# KiCad board boatcontrol.kicad_pcb (continued)
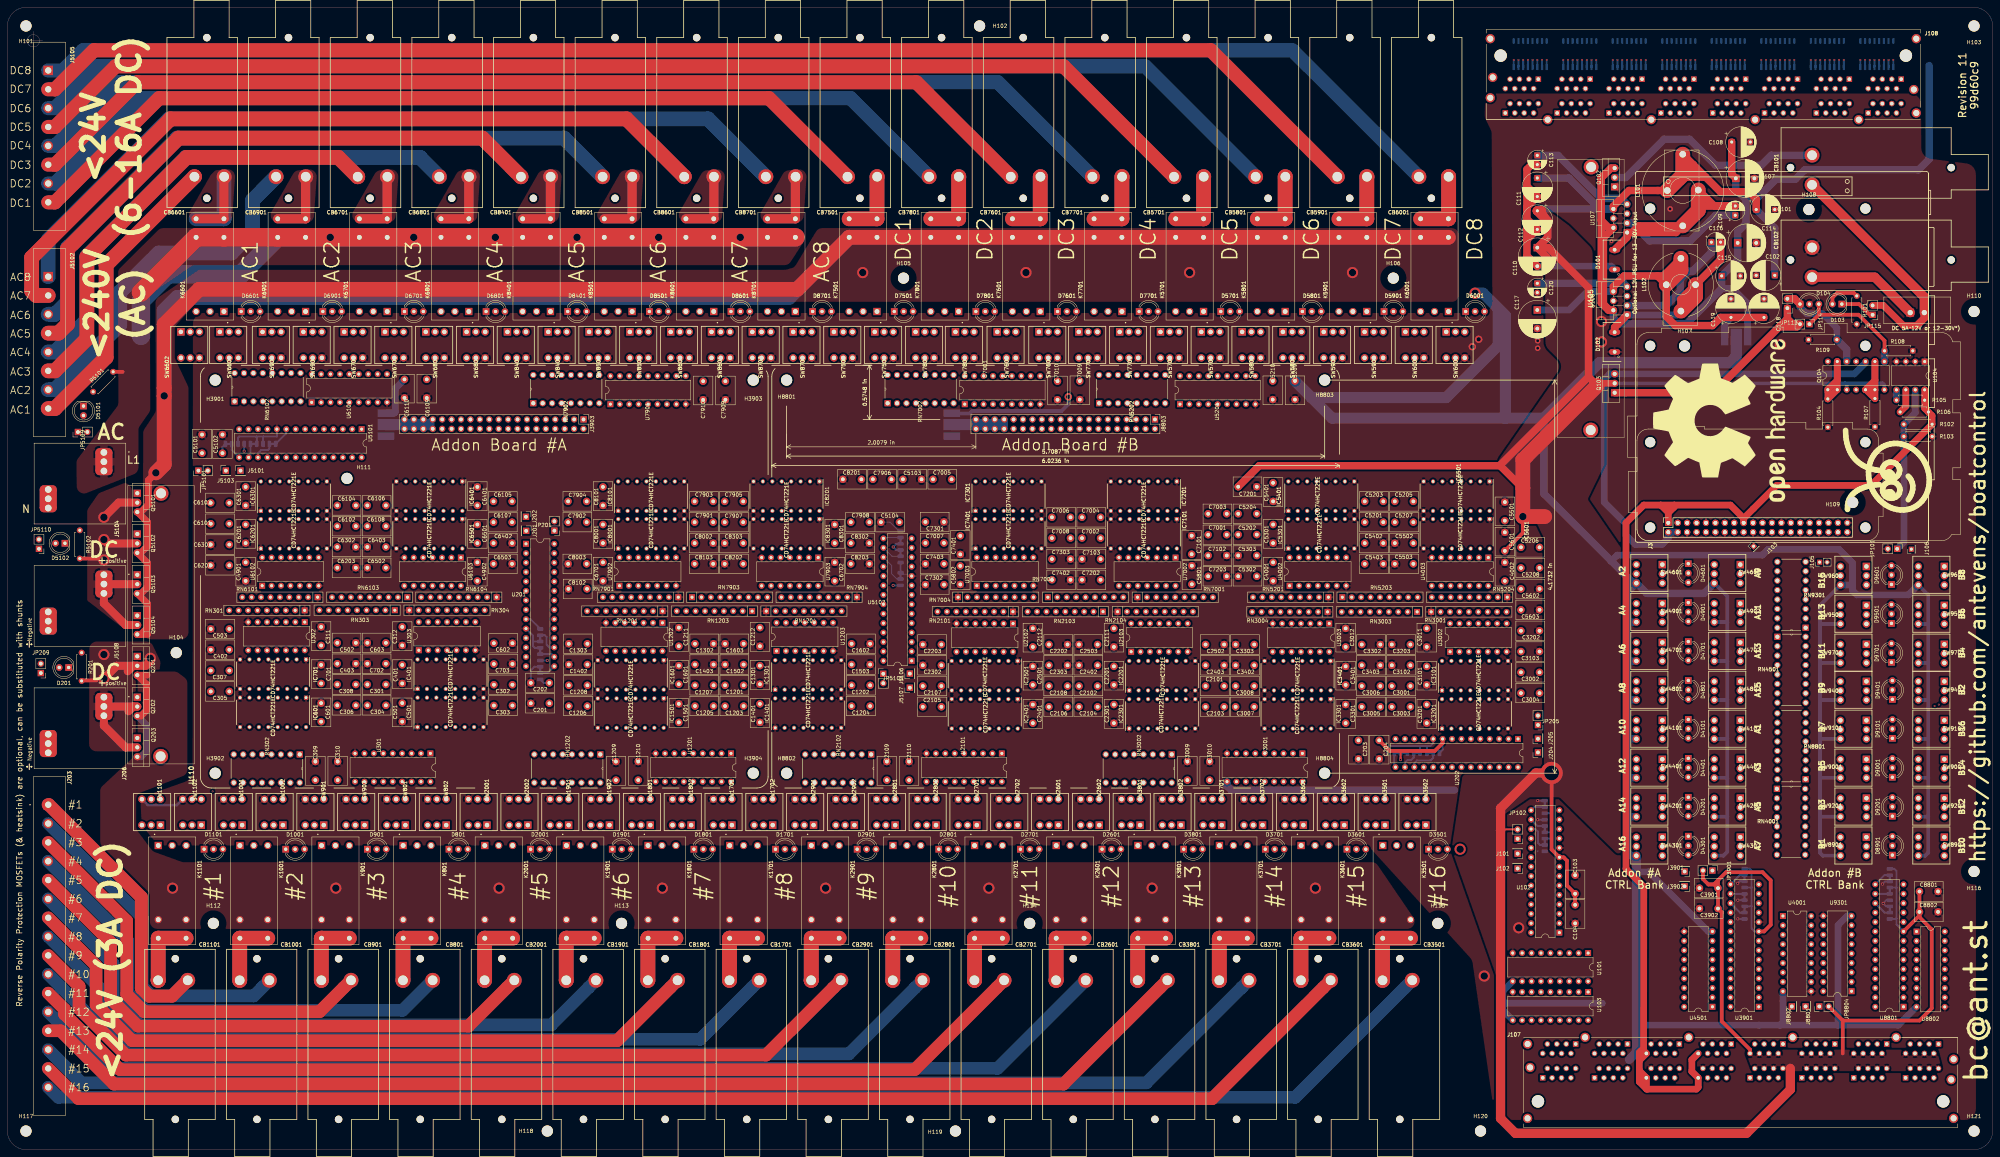
[diagram p0: board, top side]
## Nets (continued)
/C4: J108.N_7 RN103.4
/D1: J108.M_1 RN104.1
/D2: J108.M_3 RN104.2
/D3: J108.M_5 RN104.3
/D4: J108.M_7 RN104.4
/E1: J108.L_1 RN105.1
/E2: J108.L_3 RN105.2
/E3: J108.L_5 RN105.3
/E4: J108.L_7 RN105.4
/F1: J108.K_1 RN106.1
/F2: J108.K_3 RN106.2
/F3: J108.K_5 RN106.3
/F4: J108.K_7 RN106.4
/G1: J108.J_1 RN107.1
/G2: J108.J_3 RN107.2
/G3: J108.J_5 RN107.3
/G4: J108.J_7 RN107.4
/H1: J108.I_1 RN108.1
/H2: J108.I_3 RN108.2
/H3: J108.I_5 RN108.3
/H4: J108.I_7 RN108.4
/Mixed 12V DC / 230V AC Common Bank/12L_RAW: J5108.1_1 J5108.1_2 J5108.1_3 Q5101.2 Q5102.2 Q5103.2 Q5104.2 R5102.2
/Mixed 12V DC / 230V AC Common Bank/12V DC 6A Block/6AC1/DISABLED_INDICATOR: SW6001.3 SW6002.3
/Mixed 12V DC / 230V AC Common Bank/12V DC 6A Block/6AC1/OFF: SW6001.4 U5201.11
/Mixed 12V DC / 230V AC Common Bank/12V DC 6A Block/6AC1/OFF_COIL: K6001.8 RN5202.10 SW6002.2
/Mixed 12V DC / 230V AC Common Bank/12V DC 6A Block/6AC1/OFF_LED: D6001.3 RN5202.8
/Mixed 12V DC / 230V AC Common Bank/12V DC 6A Block/6AC1/OFF_TO_ON: SW6001.5 SW6002.1
/Mixed 12V DC / 230V AC Common Bank/12V DC 6A Block/6AC1/ON: SW6002.4 U5201.12
/Mixed 12V DC / 230V AC Common Bank/12V DC 6A Block/6AC1/ON_COIL: K6001.1 RN5202.9 SW6001.2
/Mixed 12V DC / 230V AC Common Bank/12V DC 6A Block/6AC1/ON_LED: D6001.1 RN5202.7
/Mixed 12V DC / 230V AC Common Bank/12V DC 6A Block/6AC1/ON_TO_OFF: SW6001.1 SW6002.5
/Mixed 12V DC / 230V AC Common Bank/12V DC 6A Block/6AC1/TO_FUSE: CB6001.P1 K6001.4 K6001.5
/Mixed 12V DC / 230V AC Common Bank/12V DC 6A Block/6AC2/DISABLED_INDICATOR: SW5901.3 SW5902.3
/Mixed 12V DC / 230V AC Common Bank/12V DC 6A Block/6AC2/OFF: SW5901.4 U5201.13
/Mixed 12V DC / 230V AC Common Bank/12V DC 6A Block/6AC2/OFF_COIL: K5901.8 RN5202.12 SW5902.2
/Mixed 12V DC / 230V AC Common Bank/12V DC 6A Block/6AC2/OFF_LED: D5901.3 RN5202.6
/Mixed 12V DC / 230V AC Common Bank/12V DC 6A Block/6AC2/OFF_TO_ON: SW5901.5 SW5902.1
/Mixed 12V DC / 230V AC Common Bank/12V DC 6A Block/6AC2/ON: SW5902.4 U5201.14
/Mixed 12V DC / 230V AC Common Bank/12V DC 6A Block/6AC2/ON_COIL: K5901.1 RN5202.11 SW5901.2
/Mixed 12V DC / 230V AC Common Bank/12V DC 6A Block/6AC2/ON_LED: D5901.1 RN5202.5
/Mixed 12V DC / 230V AC Common Bank/12V DC 6A Block/6AC2/ON_TO_OFF: SW5901.1 SW5902.5
/Mixed 12V DC / 230V AC Common Bank/12V DC 6A Block/6AC2/TO_FUSE: CB5901.P1 K5901.4 K5901.5
/Mixed 12V DC / 230V AC Common Bank/12V DC 6A Block/6AC3/DISABLED_INDICATOR: SW5801.3 SW5802.3
/Mixed 12V DC / 230V AC Common Bank/12V DC 6A Block/6AC3/OFF: SW5801.4 U5201.15
/Mixed 12V DC / 230V AC Common Bank/12V DC 6A Block/6AC3/OFF_COIL: K5801.8 RN5202.14 SW5802.2
/Mixed 12V DC / 230V AC Common Bank/12V DC 6A Block/6AC3/OFF_LED: D5801.3 RN5202.4
/Mixed 12V DC / 230V AC Common Bank/12V DC 6A Block/6AC3/OFF_TO_ON: SW5801.5 SW5802.1
/Mixed 12V DC / 230V AC Common Bank/12V DC 6A Block/6AC3/ON: SW5802.4 U5201.16
/Mixed 12V DC / 230V AC Common Bank/12V DC 6A Block/6AC3/ON_COIL: K5801.1 RN5202.13 SW5801.2
/Mixed 12V DC / 230V AC Common Bank/12V DC 6A Block/6AC3/ON_LED: D5801.1 RN5202.3
/Mixed 12V DC / 230V AC Common Bank/12V DC 6A Block/6AC3/ON_TO_OFF: SW5801.1 SW5802.5
/Mixed 12V DC / 230V AC Common Bank/12V DC 6A Block/6AC3/TO_FUSE: CB5801.P1 K5801.4 K5801.5
/Mixed 12V DC / 230V AC Common Bank/12V DC 6A Block/6AC4/DISABLED_INDICATOR: SW5701.3 SW5702.3
/Mixed 12V DC / 230V AC Common Bank/12V DC 6A Block/6AC4/OFF: SW5701.4 U5201.17
/Mixed 12V DC / 230V AC Common Bank/12V DC 6A Block/6AC4/OFF_COIL: K5701.8 RN5202.16 SW5702.2
/Mixed 12V DC / 230V AC Common Bank/12V DC 6A Block/6AC4/OFF_LED: D5701.3 RN5202.2
/Mixed 12V DC / 230V AC Common Bank/12V DC 6A Block/6AC4/OFF_TO_ON: SW5701.5 SW5702.1
/Mixed 12V DC / 230V AC Common Bank/12V DC 6A Block/6AC4/ON: SW5702.4 U5201.18
/Mixed 12V DC / 230V AC Common Bank/12V DC 6A Block/6AC4/ON_COIL: K5701.1 RN5202.15 SW5701.2
/Mixed 12V DC / 230V AC Common Bank/12V DC 6A Block/6AC4/ON_LED: D5701.1 RN5202.1
/Mixed 12V DC / 230V AC Common Bank/12V DC 6A Block/6AC4/ON_TO_OFF: SW5701.1 SW5702.5
/Mixed 12V DC / 230V AC Common Bank/12V DC 6A Block/6AC4/TO_FUSE: CB5701.P1 K5701.4 K5701.5
/Mixed 12V DC / 230V AC Common Bank/12V DC 6A Block/DIG_OFF_C1: RN5201.5 U4002.4 U5102.2
/Mixed 12V DC / 230V AC Common Bank/12V DC 6A Block/DIG_OFF_C2: RN5201.6 U4002.12 U5102.4
/Mixed 12V DC / 230V AC Common Bank/12V DC 6A Block/DIG_OFF_C3: RN5204.6 U4003.4 U5102.6
/Mixed 12V DC / 230V AC Common Bank/12V DC 6A Block/DIG_OFF_C4: RN5204.5 U4003.12 U5102.8
/Mixed 12V DC / 230V AC Common Bank/12V DC 6A Block/DIG_ON_C1: RN5201.9 U4002.1 U5102.1
/Mixed 12V DC / 230V AC Common Bank/12V DC 6A Block/DIG_ON_C2: RN5201.2 U4002.9 U5102.3
/Mixed 12V DC / 230V AC Common Bank/12V DC 6A Block/DIG_ON_C3: RN5204.2 U4003.1 U5102.5
/Mixed 12V DC / 230V AC Common Bank/12V DC 6A Block/DIG_ON_C4: RN5204.9 U4003.9 U5102.7
/Mixed 12V DC / 230V AC Common Bank/12V DC 6A Block/MultiVibrator6A1/MUX_OFF: IC5301.5 U5201.2
/Mixed 12V DC / 230V AC Common Bank/12V DC 6A Block/MultiVibrator6A1/MUX_ON: IC5301.13 U5201.1
/Mixed 12V DC / 230V AC Common Bank/12V DC 6A Block/MultiVibrator6A1/R1: C5201.1 IC5301.14 RN5203.4
/Mixed 12V DC / 230V AC Common Bank/12V DC 6A Block/MultiVibrator6A1/R2: C5202.1 IC5301.6 RN5203.3
/Mixed 12V DC / 230V AC Common Bank/12V DC 6A Block/MultiVibrator6A1/RC1: C5201.2 IC5301.15
/Mixed 12V DC / 230V AC Common Bank/12V DC 6A Block/MultiVibrator6A1/RC2: C5202.2 IC5301.7
/Mixed 12V DC / 230V AC Common Bank/12V DC 6A Block/MultiVibrator6A2/MUX_OFF: IC5401.5 U5201.4
/Mixed 12V DC / 230V AC Common Bank/12V DC 6A Block/MultiVibrator6A2/MUX_ON: IC5401.13 U5201.3
/Mixed 12V DC / 230V AC Common Bank/12V DC 6A Block/MultiVibrator6A2/R1: C5203.1 IC5401.14 RN5203.2
/Mixed 12V DC / 230V AC Common Bank/12V DC 6A Block/MultiVibrator6A2/R2: C5204.1 IC5401.6 RN5203.5
/Mixed 12V DC / 230V AC Common Bank/12V DC 6A Block/MultiVibrator6A2/RC1: C5203.2 IC5401.15
/Mixed 12V DC / 230V AC Common Bank/12V DC 6A Block/MultiVibrator6A2/RC2: C5204.2 IC5401.7
/Mixed 12V DC / 230V AC Common Bank/12V DC 6A Block/MultiVibrator6A3/MUX_OFF: IC5501.5 U5201.6
/Mixed 12V DC / 230V AC Common Bank/12V DC 6A Block/MultiVibrator6A3/MUX_ON: IC5501.13 U5201.5
/Mixed 12V DC / 230V AC Common Bank/12V DC 6A Block/MultiVibrator6A3/R1: C5205.1 IC5501.14 RN5203.7
/Mixed 12V DC / 230V AC Common Bank/12V DC 6A Block/MultiVibrator6A3/R2: C5206.1 IC5501.6 RN5203.6
/Mixed 12V DC / 230V AC Common Bank/12V DC 6A Block/MultiVibrator6A3/RC1: C5205.2 IC5501.15
/Mixed 12V DC / 230V AC Common Bank/12V DC 6A Block/MultiVibrator6A3/RC2: C5206.2 IC5501.7
/Mixed 12V DC / 230V AC Common Bank/12V DC 6A Block/MultiVibrator6A4/MUX_OFF: IC5601.5 U5201.8
/Mixed 12V DC / 230V AC Common Bank/12V DC 6A Block/MultiVibrator6A4/MUX_ON: IC5601.13 U5201.7
/Mixed 12V DC / 230V AC Common Bank/12V DC 6A Block/MultiVibrator6A4/R1: C5207.1 IC5601.14 RN5203.8
/Mixed 12V DC / 230V AC Common Bank/12V DC 6A Block/MultiVibrator6A4/R2: C5208.1 IC5601.6 RN5203.9
/Mixed 12V DC / 230V AC Common Bank/12V DC 6A Block/MultiVibrator6A4/RC1: C5207.2 IC5601.15
/Mixed 12V DC / 230V AC Common Bank/12V DC 6A Block/MultiVibrator6A4/RC2: C5208.2 IC5601.7
/Mixed 12V DC / 230V AC Common Bank/12V DC 6A Block/OUT_C1: CB6001.P2 J5105.1
/Mixed 12V DC / 230V AC Common Bank/12V DC 6A Block/OUT_C2: CB5901.P2 J5105.2
/Mixed 12V DC / 230V AC Common Bank/12V DC 6A Block/OUT_C3: CB5801.P2 J5105.3
/Mixed 12V DC / 230V AC Common Bank/12V DC 6A Block/OUT_C4: CB5701.P2 J5105.4
/Mixed 12V DC / 230V AC Common Bank/12V DC 10/16A Block/10AC1/DISABLED_INDICATOR: SW7701.3 SW7702.3
/Mixed 12V DC / 230V AC Common Bank/12V DC 10/16A Block/10AC1/OFF: SW7701.4 U7001.11
/Mixed 12V DC / 230V AC Common Bank/12V DC 10/16A Block/10AC1/OFF_COIL: K7701.8 RN7002.10 SW7702.2
/Mixed 12V DC / 230V AC Common Bank/12V DC 10/16A Block/10AC1/OFF_LED: D7701.3 RN7002.8
/Mixed 12V DC / 230V AC Common Bank/12V DC 10/16A Block/10AC1/OFF_TO_ON: SW7701.5 SW7702.1
/Mixed 12V DC / 230V AC Common Bank/12V DC 10/16A Block/10AC1/ON: SW7702.4 U7001.12
/Mixed 12V DC / 230V AC Common Bank/12V DC 10/16A Block/10AC1/ON_COIL: K7701.1 RN7002.9 SW7701.2
/Mixed 12V DC / 230V AC Common Bank/12V DC 10/16A Block/10AC1/ON_LED: D7701.1 RN7002.7
/Mixed 12V DC / 230V AC Common Bank/12V DC 10/16A Block/10AC1/ON_TO_OFF: SW7701.1 SW7702.5
/Mixed 12V DC / 230V AC Common Bank/12V DC 10/16A Block/10AC1/TO_FUSE: CB7701.P1 K7701.4 K7701.5
/Mixed 12V DC / 230V AC Common Bank/12V DC 10/16A Block/10AC2/DISABLED_INDICATOR: SW7601.3 SW7602.3
/Mixed 12V DC / 230V AC Common Bank/12V DC 10/16A Block/10AC2/OFF: SW7601.4 U7001.13
/Mixed 12V DC / 230V AC Common Bank/12V DC 10/16A Block/10AC2/OFF_COIL: K7601.8 RN7002.12 SW7602.2
/Mixed 12V DC / 230V AC Common Bank/12V DC 10/16A Block/10AC2/OFF_LED: D7601.3 RN7002.6
/Mixed 12V DC / 230V AC Common Bank/12V DC 10/16A Block/10AC2/OFF_TO_ON: SW7601.5 SW7602.1
/Mixed 12V DC / 230V AC Common Bank/12V DC 10/16A Block/10AC2/ON: SW7602.4 U7001.14
/Mixed 12V DC / 230V AC Common Bank/12V DC 10/16A Block/10AC2/ON_COIL: K7601.1 RN7002.11 SW7601.2
/Mixed 12V DC / 230V AC Common Bank/12V DC 10/16A Block/10AC2/ON_LED: D7601.1 RN7002.5
/Mixed 12V DC / 230V AC Common Bank/12V DC 10/16A Block/10AC2/ON_TO_OFF: SW7601.1 SW7602.5
/Mixed 12V DC / 230V AC Common Bank/12V DC 10/16A Block/10AC2/TO_FUSE: CB7601.P1 K7601.4 K7601.5
/Mixed 12V DC / 230V AC Common Bank/12V DC 10/16A Block/16AC1/DISABLED_INDICATOR: SW7801.3 SW7802.3
/Mixed 12V DC / 230V AC Common Bank/12V DC 10/16A Block/16AC1/OFF: SW7801.4 U7001.15
/Mixed 12V DC / 230V AC Common Bank/12V DC 10/16A Block/16AC1/OFF_COIL: K7801.8 RN7002.14 SW7802.2
/Mixed 12V DC / 230V AC Common Bank/12V DC 10/16A Block/16AC1/OFF_LED: D7801.3 RN7002.4
/Mixed 12V DC / 230V AC Common Bank/12V DC 10/16A Block/16AC1/OFF_TO_ON: SW7801.5 SW7802.1
/Mixed 12V DC / 230V AC Common Bank/12V DC 10/16A Block/16AC1/ON: SW7802.4 U7001.16
/Mixed 12V DC / 230V AC Common Bank/12V DC 10/16A Block/16AC1/ON_COIL: K7801.1 RN7002.13 SW7801.2
/Mixed 12V DC / 230V AC Common Bank/12V DC 10/16A Block/16AC1/ON_LED: D7801.1 RN7002.3
/Mixed 12V DC / 230V AC Common Bank/12V DC 10/16A Block/16AC1/ON_TO_OFF: SW7801.1 SW7802.5
/Mixed 12V DC / 230V AC Common Bank/12V DC 10/16A Block/16AC1/TO_FUSE: CB7801.P1 K7801.4 K7801.5
/Mixed 12V DC / 230V AC Common Bank/12V DC 10/16A Block/16AC2/DISABLED_INDICATOR: SW7501.3 SW7502.3
/Mixed 12V DC / 230V AC Common Bank/12V DC 10/16A Block/16AC2/OFF: SW7501.4 U7001.17
/Mixed 12V DC / 230V AC Common Bank/12V DC 10/16A Block/16AC2/OFF_COIL: K7501.8 RN7002.16 SW7502.2
/Mixed 12V DC / 230V AC Common Bank/12V DC 10/16A Block/16AC2/OFF_LED: D7501.3 RN7002.2
/Mixed 12V DC / 230V AC Common Bank/12V DC 10/16A Block/16AC2/OFF_TO_ON: SW7501.5 SW7502.1
/Mixed 12V DC / 230V AC Common Bank/12V DC 10/16A Block/16AC2/ON: SW7502.4 U7001.18
/Mixed 12V DC / 230V AC Common Bank/12V DC 10/16A Block/16AC2/ON_COIL: K7501.1 RN7002.15 SW7501.2
/Mixed 12V DC / 230V AC Common Bank/12V DC 10/16A Block/16AC2/ON_LED: D7501.1 RN7002.1
/Mixed 12V DC / 230V AC Common Bank/12V DC 10/16A Block/16AC2/ON_TO_OFF: SW7501.1 SW7502.5
/Mixed 12V DC / 230V AC Common Bank/12V DC 10/16A Block/16AC2/TO_FUSE: CB7501.P1 K7501.4 K7501.5
/Mixed 12V DC / 230V AC Common Bank/12V DC 10/16A Block/DIG_OFF_C1: RN7001.5 U5102.22 U7002.4
/Mixed 12V DC / 230V AC Common Bank/12V DC 10/16A Block/DIG_OFF_C2: RN7001.6 U5102.24 U7002.12
/Mixed 12V DC / 230V AC Common Bank/12V DC 10/16A Block/DIG_OFF_C3: RN7004.6 U5102.26 U7003.4
/Mixed 12V DC / 230V AC Common Bank/12V DC 10/16A Block/DIG_OFF_C4: RN7004.5 U5102.28 U7003.12
/Mixed 12V DC / 230V AC Common Bank/12V DC 10/16A Block/DIG_ON_C1: RN7001.9 U5102.21 U7002.1
/Mixed 12V DC / 230V AC Common Bank/12V DC 10/16A Block/DIG_ON_C2: RN7001.2 U5102.23 U7002.9
/Mixed 12V DC / 230V AC Common Bank/12V DC 10/16A Block/DIG_ON_C3: RN7004.2 U5102.25 U7003.1
/Mixed 12V DC / 230V AC Common Bank/12V DC 10/16A Block/DIG_ON_C4: RN7004.9 U5102.27 U7003.9
/Mixed 12V DC / 230V AC Common Bank/12V DC 10/16A Block/MultiVibrator10A1/MUX_OFF: IC7101.5 U7001.2
/Mixed 12V DC / 230V AC Common Bank/12V DC 10/16A Block/MultiVibrator10A1/MUX_ON: IC7101.13 U7001.1
/Mixed 12V DC / 230V AC Common Bank/12V DC 10/16A Block/MultiVibrator10A1/R1: C7001.1 IC7101.14 RN7003.9
/Mixed 12V DC / 230V AC Common Bank/12V DC 10/16A Block/MultiVibrator10A1/R2: C7002.1 IC7101.6 RN7003.8
/Mixed 12V DC / 230V AC Common Bank/12V DC 10/16A Block/MultiVibrator10A1/RC1: C7001.2 IC7101.15
/Mixed 12V DC / 230V AC Common Bank/12V DC 10/16A Block/MultiVibrator10A1/RC2: C7002.2 IC7101.7
/Mixed 12V DC / 230V AC Common Bank/12V DC 10/16A Block/MultiVibrator10A2/MUX_OFF: IC7201.5 U7001.4
/Mixed 12V DC / 230V AC Common Bank/12V DC 10/16A Block/MultiVibrator10A2/MUX_ON: IC7201.13 U7001.3
/Mixed 12V DC / 230V AC Common Bank/12V DC 10/16A Block/MultiVibrator10A2/R1: C7003.1 IC7201.14 RN7003.7
/Mixed 12V DC / 230V AC Common Bank/12V DC 10/16A Block/MultiVibrator10A2/R2: C7004.1 IC7201.6 RN7003.6
/Mixed 12V DC / 230V AC Common Bank/12V DC 10/16A Block/MultiVibrator10A2/RC1: C7003.2 IC7201.15
/Mixed 12V DC / 230V AC Common Bank/12V DC 10/16A Block/MultiVibrator10A2/RC2: C7004.2 IC7201.7
/Mixed 12V DC / 230V AC Common Bank/12V DC 10/16A Block/MultiVibrator16A1/MUX_OFF: IC7301.5 U7001.6
/Mixed 12V DC / 230V AC Common Bank/12V DC 10/16A Block/MultiVibrator16A1/MUX_ON: IC7301.13 U7001.5
/Mixed 12V DC / 230V AC Common Bank/12V DC 10/16A Block/MultiVibrator16A1/R1: C7005.1 IC7301.14 RN7003.5
/Mixed 12V DC / 230V AC Common Bank/12V DC 10/16A Block/MultiVibrator16A1/R2: C7006.1 IC7301.6 RN7003.4
/Mixed 12V DC / 230V AC Common Bank/12V DC 10/16A Block/MultiVibrator16A1/RC1: C7005.2 IC7301.15
/Mixed 12V DC / 230V AC Common Bank/12V DC 10/16A Block/MultiVibrator16A1/RC2: C7006.2 IC7301.7
/Mixed 12V DC / 230V AC Common Bank/12V DC 10/16A Block/MultiVibrator16A2/MUX_OFF: IC7401.5 U7001.8
/Mixed 12V DC / 230V AC Common Bank/12V DC 10/16A Block/MultiVibrator16A2/MUX_ON: IC7401.13 U7001.7
/Mixed 12V DC / 230V AC Common Bank/12V DC 10/16A Block/MultiVibrator16A2/R1: C7007.1 IC7401.14 RN7003.2
/Mixed 12V DC / 230V AC Common Bank/12V DC 10/16A Block/MultiVibrator16A2/R2: C7008.1 IC7401.6 RN7003.3
/Mixed 12V DC / 230V AC Common Bank/12V DC 10/16A Block/MultiVibrator16A2/RC1: C7007.2 IC7401.15
/Mixed 12V DC / 230V AC Common Bank/12V DC 10/16A Block/MultiVibrator16A2/RC2: C7008.2 IC7401.7
/Mixed 12V DC / 230V AC Common Bank/12V DC 10/16A Block/OUT_C1: CB7701.P2 J5105.5
/Mixed 12V DC / 230V AC Common Bank/12V DC 10/16A Block/OUT_C2: CB7601.P2 J5105.6
/Mixed 12V DC / 230V AC Common Bank/12V DC 10/16A Block/OUT_C3: CB7801.P2 J5105.7
/Mixed 12V DC / 230V AC Common Bank/12V DC 10/16A Block/OUT_C4: CB7501.P2 J5105.8
/Mixed 12V DC / 230V AC Common Bank/230V AC 6A Block/6AC1/DISABLED_INDICATOR: SW8701.3 SW8702.3
/Mixed 12V DC / 230V AC Common Bank/230V AC 6A Block/6AC1/OFF: SW8701.4 U7901.11
/Mixed 12V DC / 230V AC Common Bank/230V AC 6A Block/6AC1/OFF_COIL: K8701.8 RN7902.10 SW8702.2
/Mixed 12V DC / 230V AC Common Bank/230V AC 6A Block/6AC1/OFF_LED: D8701.3 RN7902.8
/Mixed 12V DC / 230V AC Common Bank/230V AC 6A Block/6AC1/OFF_TO_ON: SW8701.5 SW8702.1
/Mixed 12V DC / 230V AC Common Bank/230V AC 6A Block/6AC1/ON: SW8702.4 U7901.12
/Mixed 12V DC / 230V AC Common Bank/230V AC 6A Block/6AC1/ON_COIL: K8701.1 RN7902.9 SW8701.2
/Mixed 12V DC / 230V AC Common Bank/230V AC 6A Block/6AC1/ON_LED: D8701.1 RN7902.7
/Mixed 12V DC / 230V AC Common Bank/230V AC 6A Block/6AC1/ON_TO_OFF: SW8701.1 SW8702.5
/Mixed 12V DC / 230V AC Common Bank/230V AC 6A Block/6AC1/TO_FUSE: CB8701.P1 K8701.4 K8701.5
/Mixed 12V DC / 230V AC Common Bank/230V AC 6A Block/6AC2/DISABLED_INDICATOR: SW8601.3 SW8602.3
/Mixed 12V DC / 230V AC Common Bank/230V AC 6A Block/6AC2/OFF: SW8601.4 U7901.13
/Mixed 12V DC / 230V AC Common Bank/230V AC 6A Block/6AC2/OFF_COIL: K8601.8 RN7902.12 SW8602.2
/Mixed 12V DC / 230V AC Common Bank/230V AC 6A Block/6AC2/OFF_LED: D8601.3 RN7902.6
/Mixed 12V DC / 230V AC Common Bank/230V AC 6A Block/6AC2/OFF_TO_ON: SW8601.5 SW8602.1
/Mixed 12V DC / 230V AC Common Bank/230V AC 6A Block/6AC2/ON: SW8602.4 U7901.14
/Mixed 12V DC / 230V AC Common Bank/230V AC 6A Block/6AC2/ON_COIL: K8601.1 RN7902.11 SW8601.2
/Mixed 12V DC / 230V AC Common Bank/230V AC 6A Block/6AC2/ON_LED: D8601.1 RN7902.5
/Mixed 12V DC / 230V AC Common Bank/230V AC 6A Block/6AC2/ON_TO_OFF: SW8601.1 SW8602.5
/Mixed 12V DC / 230V AC Common Bank/230V AC 6A Block/6AC2/TO_FUSE: CB8601.P1 K8601.4 K8601.5
/Mixed 12V DC / 230V AC Common Bank/230V AC 6A Block/6AC3/DISABLED_INDICATOR: SW8501.3 SW8502.3
/Mixed 12V DC / 230V AC Common Bank/230V AC 6A Block/6AC3/OFF: SW8501.4 U7901.15
/Mixed 12V DC / 230V AC Common Bank/230V AC 6A Block/6AC3/OFF_COIL: K8501.8 RN7902.14 SW8502.2
/Mixed 12V DC / 230V AC Common Bank/230V AC 6A Block/6AC3/OFF_LED: D8501.3 RN7902.4
/Mixed 12V DC / 230V AC Common Bank/230V AC 6A Block/6AC3/OFF_TO_ON: SW8501.5 SW8502.1
/Mixed 12V DC / 230V AC Common Bank/230V AC 6A Block/6AC3/ON: SW8502.4 U7901.16
/Mixed 12V DC / 230V AC Common Bank/230V AC 6A Block/6AC3/ON_COIL: K8501.1 RN7902.13 SW8501.2
/Mixed 12V DC / 230V AC Common Bank/230V AC 6A Block/6AC3/ON_LED: D8501.1 RN7902.3
/Mixed 12V DC / 230V AC Common Bank/230V AC 6A Block/6AC3/ON_TO_OFF: SW8501.1 SW8502.5
/Mixed 12V DC / 230V AC Common Bank/230V AC 6A Block/6AC3/TO_FUSE: CB8501.P1 K8501.4 K8501.5
/Mixed 12V DC / 230V AC Common Bank/230V AC 6A Block/6AC4/DISABLED_INDICATOR: SW8401.3 SW8402.3
/Mixed 12V DC / 230V AC Common Bank/230V AC 6A Block/6AC4/OFF: SW8401.4 U7901.17
/Mixed 12V DC / 230V AC Common Bank/230V AC 6A Block/6AC4/OFF_COIL: K8401.8 RN7902.16 SW8402.2
/Mixed 12V DC / 230V AC Common Bank/230V AC 6A Block/6AC4/OFF_LED: D8401.3 RN7902.2
/Mixed 12V DC / 230V AC Common Bank/230V AC 6A Block/6AC4/OFF_TO_ON: SW8401.5 SW8402.1
/Mixed 12V DC / 230V AC Common Bank/230V AC 6A Block/6AC4/ON: SW8402.4 U7901.18
/Mixed 12V DC / 230V AC Common Bank/230V AC 6A Block/6AC4/ON_COIL: K8401.1 RN7902.15 SW8401.2
/Mixed 12V DC / 230V AC Common Bank/230V AC 6A Block/6AC4/ON_LED: D8401.1 RN7902.1
/Mixed 12V DC / 230V AC Common Bank/230V AC 6A Block/6AC4/ON_TO_OFF: SW8401.1 SW8402.5
/Mixed 12V DC / 230V AC Common Bank/230V AC 6A Block/6AC4/TO_FUSE: CB8401.P1 K8401.4 K8401.5
/Mixed 12V DC / 230V AC Common Bank/230V AC 6A Block/DIG_OFF_C1: RN7901.5 U5101.2 U7902.4
/Mixed 12V DC / 230V AC Common Bank/230V AC 6A Block/DIG_OFF_C2: RN7901.6 U5101.4 U7902.12
/Mixed 12V DC / 230V AC Common Bank/230V AC 6A Block/DIG_OFF_C3: RN7904.6 U5101.6 U7903.4
/Mixed 12V DC / 230V AC Common Bank/230V AC 6A Block/DIG_OFF_C4: RN7904.5 U5101.8 U7903.12
/Mixed 12V DC / 230V AC Common Bank/230V AC 6A Block/DIG_ON_C1: RN7901.9 U5101.1 U7902.1
/Mixed 12V DC / 230V AC Common Bank/230V AC 6A Block/DIG_ON_C2: RN7901.2 U5101.3 U7902.9
/Mixed 12V DC / 230V AC Common Bank/230V AC 6A Block/DIG_ON_C3: RN7904.2 U5101.5 U7903.1
/Mixed 12V DC / 230V AC Common Bank/230V AC 6A Block/DIG_ON_C4: RN7904.9 U5101.7 U7903.9
/Mixed 12V DC / 230V AC Common Bank/230V AC 6A Block/MultiVibrator6A1/MUX_OFF: IC8001.5 U7901.2
/Mixed 12V DC / 230V AC Common Bank/230V AC 6A Block/MultiVibrator6A1/MUX_ON: IC8001.13 U7901.1
/Mixed 12V DC / 230V AC Common Bank/230V AC 6A Block/MultiVibrator6A1/R1: C7901.1 IC8001.14 RN7903.4
/Mixed 12V DC / 230V AC Common Bank/230V AC 6A Block/MultiVibrator6A1/R2: C7902.1 IC8001.6 RN7903.3
/Mixed 12V DC / 230V AC Common Bank/230V AC 6A Block/MultiVibrator6A1/RC1: C7901.2 IC8001.15
/Mixed 12V DC / 230V AC Common Bank/230V AC 6A Block/MultiVibrator6A1/RC2: C7902.2 IC8001.7
/Mixed 12V DC / 230V AC Common Bank/230V AC 6A Block/MultiVibrator6A2/MUX_OFF: IC8101.5 U7901.4
/Mixed 12V DC / 230V AC Common Bank/230V AC 6A Block/MultiVibrator6A2/MUX_ON: IC8101.13 U7901.3
/Mixed 12V DC / 230V AC Common Bank/230V AC 6A Block/MultiVibrator6A2/R1: C7903.1 IC8101.14 RN7903.2
/Mixed 12V DC / 230V AC Common Bank/230V AC 6A Block/MultiVibrator6A2/R2: C7904.1 IC8101.6 RN7903.5
/Mixed 12V DC / 230V AC Common Bank/230V AC 6A Block/MultiVibrator6A2/RC1: C7903.2 IC8101.15
/Mixed 12V DC / 230V AC Common Bank/230V AC 6A Block/MultiVibrator6A2/RC2: C7904.2 IC8101.7
/Mixed 12V DC / 230V AC Common Bank/230V AC 6A Block/MultiVibrator6A3/MUX_OFF: IC8201.5 U7901.6
/Mixed 12V DC / 230V AC Common Bank/230V AC 6A Block/MultiVibrator6A3/MUX_ON: IC8201.13 U7901.5
/Mixed 12V DC / 230V AC Common Bank/230V AC 6A Block/MultiVibrator6A3/R1: C7905.1 IC8201.14 RN7903.7
/Mixed 12V DC / 230V AC Common Bank/230V AC 6A Block/MultiVibrator6A3/R2: C7906.1 IC8201.6 RN7903.6
/Mixed 12V DC / 230V AC Common Bank/230V AC 6A Block/MultiVibrator6A3/RC1: C7905.2 IC8201.15
/Mixed 12V DC / 230V AC Common Bank/230V AC 6A Block/MultiVibrator6A3/RC2: C7906.2 IC8201.7
/Mixed 12V DC / 230V AC Common Bank/230V AC 6A Block/MultiVibrator6A4/MUX_OFF: IC8301.5 U7901.8
/Mixed 12V DC / 230V AC Common Bank/230V AC 6A Block/MultiVibrator6A4/MUX_ON: IC8301.13 U7901.7
/Mixed 12V DC / 230V AC Common Bank/230V AC 6A Block/MultiVibrator6A4/R1: C7907.1 IC8301.14 RN7903.8
/Mixed 12V DC / 230V AC Common Bank/230V AC 6A Block/MultiVibrator6A4/R2: C7908.1 IC8301.6 RN7903.9
/Mixed 12V DC / 230V AC Common Bank/230V AC 6A Block/MultiVibrator6A4/RC1: C7907.2 IC8301.15
/Mixed 12V DC / 230V AC Common Bank/230V AC 6A Block/MultiVibrator6A4/RC2: C7908.2 IC8301.7
/Mixed 12V DC / 230V AC Common Bank/230V AC 6A Block/OUT_C1: CB8701.P2 J5102.1
/Mixed 12V DC / 230V AC Common Bank/230V AC 6A Block/OUT_C2: CB8601.P2 J5102.2
/Mixed 12V DC / 230V AC Common Bank/230V AC 6A Block/OUT_C3: CB8501.P2 J5102.3
/Mixed 12V DC / 230V AC Common Bank/230V AC 6A Block/OUT_C4: CB8401.P2 J5102.4
/Mixed 12V DC / 230V AC Common Bank/230V AC 10/16A Block/10AC1/DISABLED_INDICATOR: SW6801.3 SW6802.3
/Mixed 12V DC / 230V AC Common Bank/230V AC 10/16A Block/10AC1/OFF: SW6801.4 U6101.11
/Mixed 12V DC / 230V AC Common Bank/230V AC 10/16A Block/10AC1/OFF_COIL: K6801.8 RN6102.10 SW6802.2
/Mixed 12V DC / 230V AC Common Bank/230V AC 10/16A Block/10AC1/OFF_LED: D6801.3 RN6102.8
/Mixed 12V DC / 230V AC Common Bank/230V AC 10/16A Block/10AC1/OFF_TO_ON: SW6801.5 SW6802.1
/Mixed 12V DC / 230V AC Common Bank/230V AC 10/16A Block/10AC1/ON: SW6802.4 U6101.12
/Mixed 12V DC / 230V AC Common Bank/230V AC 10/16A Block/10AC1/ON_COIL: K6801.1 RN6102.9 SW6801.2
/Mixed 12V DC / 230V AC Common Bank/230V AC 10/16A Block/10AC1/ON_LED: D6801.1 RN6102.7
/Mixed 12V DC / 230V AC Common Bank/230V AC 10/16A Block/10AC1/ON_TO_OFF: SW6801.1 SW6802.5
/Mixed 12V DC / 230V AC Common Bank/230V AC 10/16A Block/10AC1/TO_FUSE: CB6801.P1 K6801.4 K6801.5
/Mixed 12V DC / 230V AC Common Bank/230V AC 10/16A Block/10AC2/DISABLED_INDICATOR: SW6701.3 SW6702.3
/Mixed 12V DC / 230V AC Common Bank/230V AC 10/16A Block/10AC2/OFF: SW6701.4 U6101.13
/Mixed 12V DC / 230V AC Common Bank/230V AC 10/16A Block/10AC2/OFF_COIL: K6701.8 RN6102.12 SW6702.2
/Mixed 12V DC / 230V AC Common Bank/230V AC 10/16A Block/10AC2/OFF_LED: D6701.3 RN6102.6
/Mixed 12V DC / 230V AC Common Bank/230V AC 10/16A Block/10AC2/OFF_TO_ON: SW6701.5 SW6702.1
/Mixed 12V DC / 230V AC Common Bank/230V AC 10/16A Block/10AC2/ON: SW6702.4 U6101.14
/Mixed 12V DC / 230V AC Common Bank/230V AC 10/16A Block/10AC2/ON_COIL: K6701.1 RN6102.11 SW6701.2
/Mixed 12V DC / 230V AC Common Bank/230V AC 10/16A Block/10AC2/ON_LED: D6701.1 RN6102.5
/Mixed 12V DC / 230V AC Common Bank/230V AC 10/16A Block/10AC2/ON_TO_OFF: SW6701.1 SW6702.5
/Mixed 12V DC / 230V AC Common Bank/230V AC 10/16A Block/10AC2/TO_FUSE: CB6701.P1 K6701.4 K6701.5
/Mixed 12V DC / 230V AC Common Bank/230V AC 10/16A Block/16AC1/DISABLED_INDICATOR: SW6901.3 SW6902.3
/Mixed 12V DC / 230V AC Common Bank/230V AC 10/16A Block/16AC1/OFF: SW6901.4 U6101.15
/Mixed 12V DC / 230V AC Common Bank/230V AC 10/16A Block/16AC1/OFF_COIL: K6901.8 RN6102.14 SW6902.2
/Mixed 12V DC / 230V AC Common Bank/230V AC 10/16A Block/16AC1/OFF_LED: D6901.3 RN6102.4
/Mixed 12V DC / 230V AC Common Bank/230V AC 10/16A Block/16AC1/OFF_TO_ON: SW6901.5 SW6902.1
/Mixed 12V DC / 230V AC Common Bank/230V AC 10/16A Block/16AC1/ON: SW6902.4 U6101.16
/Mixed 12V DC / 230V AC Common Bank/230V AC 10/16A Block/16AC1/ON_COIL: K6901.1 RN6102.13 SW6901.2
/Mixed 12V DC / 230V AC Common Bank/230V AC 10/16A Block/16AC1/ON_LED: D6901.1 RN6102.3
/Mixed 12V DC / 230V AC Common Bank/230V AC 10/16A Block/16AC1/ON_TO_OFF: SW6901.1 SW6902.5
/Mixed 12V DC / 230V AC Common Bank/230V AC 10/16A Block/16AC1/TO_FUSE: CB6901.P1 K6901.4 K6901.5
/Mixed 12V DC / 230V AC Common Bank/230V AC 10/16A Block/16AC2/DISABLED_INDICATOR: SW6601.3 SW6602.3
/Mixed 12V DC / 230V AC Common Bank/230V AC 10/16A Block/16AC2/OFF: SW6601.4 U6101.17
/Mixed 12V DC / 230V AC Common Bank/230V AC 10/16A Block/16AC2/OFF_COIL: K6601.8 RN6102.16 SW6602.2
/Mixed 12V DC / 230V AC Common Bank/230V AC 10/16A Block/16AC2/OFF_LED: D6601.3 RN6102.2
/Mixed 12V DC / 230V AC Common Bank/230V AC 10/16A Block/16AC2/OFF_TO_ON: SW6601.5 SW6602.1
/Mixed 12V DC / 230V AC Common Bank/230V AC 10/16A Block/16AC2/ON: SW6602.4 U6101.18
/Mixed 12V DC / 230V AC Common Bank/230V AC 10/16A Block/16AC2/ON_COIL: K6601.1 RN6102.15 SW6601.2
/Mixed 12V DC / 230V AC Common Bank/230V AC 10/16A Block/16AC2/ON_LED: D6601.1 RN6102.1
/Mixed 12V DC / 230V AC Common Bank/230V AC 10/16A Block/16AC2/ON_TO_OFF: SW6601.1 SW6602.5
/Mixed 12V DC / 230V AC Common Bank/230V AC 10/16A Block/16AC2/TO_FUSE: CB6601.P1 K6601.4 K6601.5
/Mixed 12V DC / 230V AC Common Bank/230V AC 10/16A Block/DIG_OFF_C1: RN6101.5 U5101.22 U6102.4